# Altium PCB PROC106B.PcbDoc (part 1 of 8) (continued)
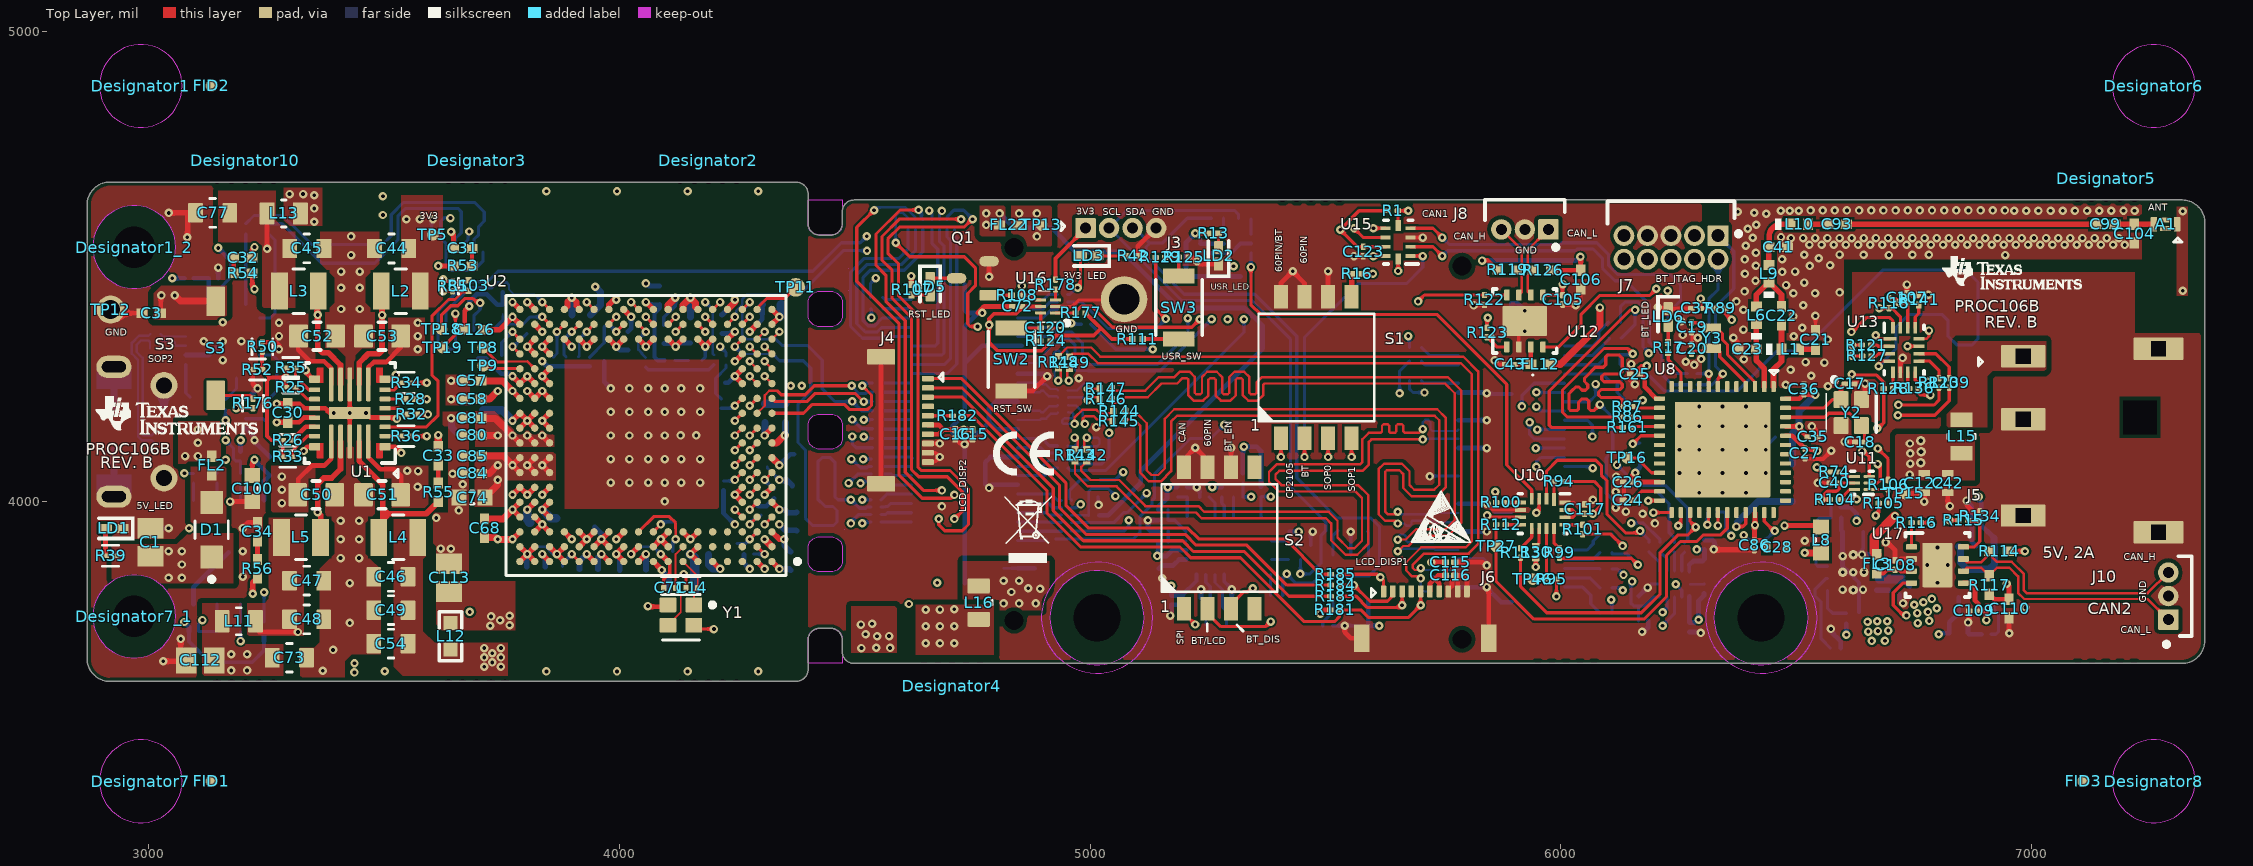
[diagram p0: Top Layer view]
## Design rules (kind name [scope] priority, off if disabled: settings) (continued)
Width [All] p2: maxlimit=100 minlimit=4 preferedwidth=6 toplayer_maxwidth=40 toplayer_prefwidth=6.7 midlayer1_minwidth=4.2 midlayer1_maxwidth=20 midlayer1_prefwidth=4.2 midlayer2_minwidth=4.5 midlayer2_maxwidth=15 midlayer2_prefwidth=5.95 midlayer7_minwidth=4.5 midlayer7_maxwidth=15 midlayer7_prefwidth=5.95 midlayer8_minwidth=6 midlayer8_prefwidth=10 bottomlayer_maxwidth=40 bottomlayer_prefwidth=6.7 minimp=50.000000 maximp=50.000000 favimp=50.000000
14 further rules are at their usual default settings.

## Classes and differential pairs
pad class "Non Plated": Designator1_2- Designator7_1- Designator22_1- Designator23- FL2-1 FL2-2 FL3-1 FL3-2 FL12-1 FL12-2 FL22-1 FL22-2 Free-
net class PWR: AR_1P0_RF1 AR_1P0_RF2 AR_1P2 AR_1V4_APLL AR_1V4_SYNTH AR_1V8 PMIC_1V0 PMIC_1V2 PMIC_1V8
net class 100E: AR_LVDS_0_N AR_LVDS_0_P AR_LVDS_1_N AR_LVDS_1_P AR_LVDS_CLK_N AR_LVDS_CLK_P AR_LVDS_FRCLK_N AR_LVDS_FRCLK_P
net class RF: NetA1_4 NetC22_1 NetC41_1 NetC93_1 NetC93_2 RF_N RF_P
differential pair class 120E: NewDifferentialPair1 NewDifferentialPair2
differential pair class 100E: AR_LVDS_0 AR_LVDS_0_J AR_LVDS_0_R AR_LVDS_1 AR_LVDS_1_J AR_LVDS_1_R AR_LVDS_CLK AR_LVDS_CLK_J AR_LVDS_CLK_R AR_LVDS_FRCLK AR_LVDS_FRCLK_R X48M
differential pair class 90E: USB USB_R
component class PROC106B_RST_GPIOs_I2C: C6 C9 C10 C11 C12 C13 C38 C39 C72 C120 C125 J3 LD2 LD3 LD5 Q1 R13 R18 R38 R42 R51 R57 R67 R68 R69 R70 R71 R72 R73 R77 R78 R80 R81 R82 R93 R96 R97 R98 R107 R108 R111 R124 R125 R129 R177 R178 SW2 SW3 TP15 TP20 U5 U6 U7 U16 Y4
component class PROC106B_PMIC: C30 C31 C32 C33 C34 C44 C45 C46 C47 C48 C49 C50 C51 C52 C53 C54 C73 C75 C76 C77 C111 C112 C113 C121 C124 C131 L2 L3 L4 L5 L11 L12 L13 L14 LD1 R25 R26 R28 R31 R32 R33 R34 R35 R36 R37 R39 R50 R52 R53 R54 R55 R56 TP5 TP12 U1
component class PROC106B_HD_CONN_PWR_SW: C127 C128 C129 FL22 J2 J11 L16 R10 R11 R12 R14 R20 R24 R27 R29 R58 R88 R92 R130 R132 R133 R135 R137 R138 R140 R142 R143 R144 R145 R146 R147 R148 R149 R150 R151 R152 R153 R154 R155 R157 R186 R187 R188 R189 R190 RA1 RA2 RA3 RA4 RA5 RA6 RA7 RA8 RA9 TP10 TP13 U19
component class PROC106B_FLASH_USB_TO_UART: C1 C2 C3 C4 C100 C101 C126 D1 FL2 J1 LD4 R6 R15 R19 R40 R41 R43 R44 R45 R46 R47 R48 R49 R60 R61 R62 R63 R64 R65 TP18 TP19 TP26 U3 U9 U18
component class PROC106B_CAN_INTERFACE: C40 C43 C105 C106 C107 C108 C109 C110 FL3 FL12 J8 J10 R66 R74 R104 R105 R106 R114 R115 R116 R117 R118 R119 R120 R121 R122 R123 R126 R127 R128 R134 R136 R139 R141 U11 U12 U13 U17
component class PROC106B_BT_DISPLAY: A1 C5 C7 C8 C15 C16 C17 C18 C19 C20 C21 C22 C23 C24 C25 C26 C27 C28 C29 C35 C36 C37 C41 C86 C93 C99 C104 C114 C115 C116 C117 C118 C119 J4 J6 J7 L1 L6 L7 L8 L9 L10 LD6 R17 R30 R76 R79 R86 R87 R89 R90 R91 R94 R95 R99 R100 R101 R102 R110 R112 R113 R131 R160 R161 R166 R168 R180 R181 R182 R183 R184 R185 TP16 TP27 TP46 U4 U8 U10 U14 Y2 Y3
component class PROC106B_AOP_PWR: C55 C56 C57 C58 C59 C60 C61 C62 C63 C64 C65 C66 C67 C68 C69 C70 C74 C78 C79 C80 C81 C82 C83 C84 C85 C87 C88 C89 C90 C91 C92 C94 C95 C96 C97 C98 C102 C103 TP11
component class PROC106B_AOP_IO: C14 C71 C130 R2 R3 R4 R5 R7 R8 R9 R21 R22 R23 R59 R75 R83 R84 R85 R103 R158 R159 R170 R171 R172 R174 R176 S3 TP2 TP3 TP6 TP7 TP8 TP9 TP14 TP17 U2 Y1
component class PROC106B_ANALOG_MUX: C42 C122 C123 J5 L15 R1 R16 S1 S2 TP4 U15
component class PROC106B_Hardware: FID1 FID2 FID3 FID4 FID5 FID6 ZZ1 ZZ2 ZZ3 ZZ4 ZZ5.1 ZZ5.2
component class FiducialMark: Designator1_2 Designator7_1 Designator22_1 Designator23 FID1 FID2 FID3 FID4 FID5 FID6
component class AssemblyNote: ZZ1 ZZ2 ZZ3 ZZ4 ZZ5.1 ZZ5.2
differential pair NewDifferentialPair3: +X48M_P -X48M_N
differential pair AR_LVDS_CLK_J: +NetJ2_36 -NetJ2_34
differential pair AR_LVDS_1_J: +NetJ2_42 -NetJ2_40
differential pair AR_LVDS_0_J: +NetJ2_48 -NetJ2_46
differential pair USB_R: +NetR60_1 -NetR41_1
differential pair NewDifferentialPair1: +NetJ8_1 -NetJ8_3
differential pair USB: +USB_DP -USB_DM
differential pair NewDifferentialPair2: +NetJ10_1 -NetJ10_3
differential pair AR_LVDS_CLK: +AR_LVDS_CLK_P -AR_LVDS_CLK_N
differential pair AR_LVDS_FRCLK: +AR_LVDS_FRCLK_P -AR_LVDS_FRCLK_N
differential pair AR_LVDS_1: +AR_LVDS_1_P -AR_LVDS_1_N
differential pair AR_LVDS_0: +AR_LVDS_0_P -AR_LVDS_0_N
differential pair AR_LVDS_0_R: +NetJ11_56 -NetJ11_58
differential pair AR_LVDS_1_R: +NetJ11_50 -NetJ11_52
differential pair AR_LVDS_CLK_R: +NetJ11_44 -NetJ11_46
differential pair AR_LVDS_FRCLK_R: +NetJ11_26 -NetJ11_28

## Components (designator, comment, footprint, x,y, rotation, side; value= is the part's Value field where it differs from the comment)
A1 "ANT016008LCS2442MA2" FP-ANT016008LCS2442MA2_SMT_ANT-0 7284.33,4589.83 r180 top
C1 "GCM21BR71A106KE22L" 0805L 3004.01,3914.32 r270 top value=10uF
C2 "GCM155R71C104KA55D" 0402L 3005.89,4400.66 r180 bottom value=0.1uF
C3 "GCM155R71C104KA55D" 0402L 3005.89,4400.66 r180 top value=0.1uF
C4 "GCM21BR71A106KE22L" 0805L 3004.01,3914.26 r90 bottom value=10uF
C5 "CL03A105MO3NRNH" FP-CL03A105MO3NRNH_0201-IPC_C 6882.81,3977 r180 bottom
C6 "GRM033R6YA104KE14D" "FP-GRM033R6YA104KE14D_0201 (0603 Metric)-IPC_C" 5234.38,4538.7 r90 bottom
C7 "CL05A106MP5NUNC" 0402_070 6844.78,3720.79 r0 bottom value=10uF
C8 "CL03A103KA3NNNC" FP-CL03A103KA3NNNC_0201-IPC_C 6903.19,3719.01 r180 bottom
C9 "GRM033R6YA104KE14D" "FP-GRM033R6YA104KE14D_0201 (0603 Metric)-IPC_C" 5197.1,3791.56 r90 bottom locked
C10 "GRM033R6YA104KE14D" "FP-GRM033R6YA104KE14D_0201 (0603 Metric)-IPC_C" 5162.69,3875.17 r90 bottom
C11 "CL03A105MO3NRNH" FP-CL03A105MO3NRNH_0201-IPC_C 5172.1,3791.41 r270 bottom
C12 "GRM033R6YA104KE14D" "FP-GRM033R6YA104KE14D_0201 (0603 Metric)-IPC_C" 5580.92,3737.11 r0 bottom
C13 "GRM033R6YA104KE14D" "FP-GRM033R6YA104KE14D_0201 (0603 Metric)-IPC_C" 5242.93,4010.48 r0 bottom
C14 "CGA1A2C0G1H4R7C030BA" FP-CGA1A2C0G1H4R7C030BA_0201-IPC_C 4153.98,3817.27 r180 top value=4.7pF
C15 "CL03A105MO3NRNH" FP-CL03A105MO3NRNH_0201-IPC_C 4750.21,4143.82 r270 top
C16 "CL03A105MO3NRNH" FP-CL03A105MO3NRNH_0201-IPC_C 4713.47,4143.92 r270 top
C17 "GRM0335C1H8R0BA01D" "FP-GRM0335C1H8R0BA01D_0201 (0603 metric)-IPC_C" 6613.33,4250.88 r0 top
C18 "GRM0335C1H8R0BA01D" "FP-GRM0335C1H8R0BA01D_0201 (0603 metric)-IPC_C" 6634.87,4127.04 r180 top
C19 "250R05L120JV4T" FP-250R05L120JV4T_0201-IPC_C 6277.6,4370.87 r270 top
C20 "250R05L120JV4T" FP-250R05L120JV4T_0201-IPC_C 6277.6,4324.98 r90 top
C21 "CL05C120JB5NNNC" 0402L 6540.73,4344.09 r270 top value=12pF
C22 "GCM1555C1H1R0CA16D" 0402L 6468.51,4395.47 r270 top value=1pF
C23 "GCM1555C1H1R0CA16D" 0402L 6395.4,4324.42 r180 top value=1pF
C24 "CL03A105MO3NRNH" FP-CL03A105MO3NRNH_0201-IPC_C 6142.33,4003.46 r180 top
C25 "GRM033R6YA104KE14D" "FP-GRM033R6YA104KE14D_0201 (0603 Metric)-IPC_C" 6157.34,4271.39 r180 top
C26 "GRM033R6YA104KE14D" "FP-GRM033R6YA104KE14D_0201 (0603 Metric)-IPC_C" 6142.18,4042.21 r180 top
C27 "GRM033R6YA104KE14D" "FP-GRM033R6YA104KE14D_0201 (0603 Metric)-IPC_C" 6518.42,4103.16 r270 top
C28 "CL05A226MQ5N6J8" 0402S 6458.05,3903.24 r0 top
C29 "CL05A226MQ5N6J8" 0402S 6471.97,4137.37 r180 bottom
C30 "GCM155R71C224KE02D" 0402L 3295.87,4189 r90 top value=0.22uF
C31 "CGA2B2C0G1H391J050BA" 0402L 3667.5,4538.34 r180 top value=390pF
C32 "CGA2B2C0G1H391J050BA" 0402L 3200.34,4518.49 r0 top value=390pF
C33 "CGA2B2C0G1H391J050BA" 0402L 3615.39,4098.42 r270 top value=390pF
C34 "CGA2B2C0G1H391J050BA" 0402L 3231.35,3936.68 r270 top value=390pF
C35 "GRM033R6YA104KE14D" "FP-GRM033R6YA104KE14D_0201 (0603 Metric)-IPC_C" 6534.66,4138.22 r0 top
C36 "GRM033R6YA104KE14D" "FP-GRM033R6YA104KE14D_0201 (0603 Metric)-IPC_C" 6516.27,4239.23 r90 top
C37 "GRM033R6YA104KE14D" "FP-GRM033R6YA104KE14D_0201 (0603 Metric)-IPC_C" 6287.19,4411.08 r180 top
C38 "250R05L120JV4T" FP-250R05L120JV4T_0201-IPC_C 5245.41,3795.56 r180 bottom
C39 "250R05L120JV4T" FP-250R05L120JV4T_0201-IPC_C 5291.16,3795.56 r0 bottom
C40 "GRM033R6YA104KE14D" "FP-GRM033R6YA104KE14D_0201 (0603 Metric)-IPC_C" 6581.1,4040.29 r180 top
C41 "GCM1555C1H1R0CA16D" 0402L 6461.93,4540.91 r0 top value=1pF
C42 "CL05A106MP5NUNC" 0402_070 6821.81,4040 r90 top value=10uF
C43 "GRM033R6YA104KE14D" "FP-GRM033R6YA104KE14D_0201 (0603 Metric)-IPC_C" 5891.78,4292.07 r0 top
C44 "CGA4J1X7T0J226M125AC" FP-CGA4J1X7T0J226M125AC_0805-MFG 3516.1,4538.33 r0 top value=22µF
C45 "CGA4J1X7T0J226M125AC" FP-CGA4J1X7T0J226M125AC_0805-MFG 3336.18,4538.34 r180 top value=22µF
C46 "CGA4J1X7T0J226M125AC" FP-CGA4J1X7T0J226M125AC_0805-MFG 3514.81,3840.95 r0 top value=22µF
C47 "CGA4J1X7T0J226M125AC" FP-CGA4J1X7T0J226M125AC_0805-MFG 3335.76,3832.63 r180 top value=22µF
C48 "CGA4J1X7T0J226M125AC" FP-CGA4J1X7T0J226M125AC_0805-MFG 3335.76,3750.6 r180 top value=22µF
C49 "CGA4J1X7T0J226M125AC" FP-CGA4J1X7T0J226M125AC_0805-MFG 3514.81,3770.11 r0 top value=22µF
C50 "GCM21BR71A106KE22L" 0805_HV1 3355.89,4015.14 r0 top value=10uF
C51 "GCM21BR71A106KE22L" 0805_HV1 3495.89,4015.14 r180 top value=10uF
C52 "GCM21BR71A106KE22L" 0805_HV1 3357.86,4352.35 r0 top value=10uF
C53 "GCM21BR71A106KE22L" 0805_HV1 3495.89,4352.35 r180 top value=10uF
C54 "CGA4J1X7T0J226M125AC" FP-CGA4J1X7T0J226M125AC_0805-MFG 3514.81,3699.04 r0 top value=22µF
C55 "GCM21BR71A106KE22L" 0805L 3908.19,4239.7 r0 bottom value=10uF
C56 "GCM155R71C224KE02D" 0402L 4323.95,4419.07 r0 bottom value=0.22uF
C57 "GCM155R71C224KE02D" 0402L 3686.18,4257.19 r180 top value=0.22uF
C58 "GCM155R71C224KE02D" 0402L 3686.18,4218.19 r180 top value=0.22uF
C59 "GCM21BR71A106KE22L" 0805L 3700.56,4275.26 r90 bottom value=10uF
C60 "GCM155R71C224KE02D" 0402L 4309.75,4188.46 r90 bottom value=0.22uF
C61 "GCM155R71C224KE02D" 0402L 4018.33,4342.22 r270 bottom value=0.22uF
C62 "GCM21BR71A106KE22L" 0805L 4040,3970.52 r90 bottom value=10uF
C63 "GCM155R71C224KE02D" 0402L 3935.07,3856.83 r180 bottom value=0.22uF
C64 "GCM155R71C224KE02D" 0402L 3967.69,3945.83 r180 bottom value=0.22uF
C65 "GCM21BR71A106KE22L" 0805L 3674.97,3943.67 r180 bottom value=10uF
C66 "GCM155R71C224KE02D" 0402L 3865.49,3945.78 r90 bottom value=0.22uF
C67 "GCM155R71C224KE02D" 0402L 3790.94,3955.68 r0 bottom value=0.22uF
C68 "GCM155R71C224KE02D" 0402L 3713.57,3943.79 r90 top value=0.22uF
C69 "CGA2B3X7R1H473K050BB" 0402L 3822.75,3862.61 r180 bottom value=0.047uF
C70 "GCM21BR71A106KE22L" 0805L 3908.19,4023.7 r0 bottom value=10uF
C71 "CGA1A2C0G1H4R7C030BA" FP-CGA1A2C0G1H4R7C030BA_0201-IPC_C 4106.98,3817.45 r180 top value=4.7pF
C72 "GRM033R6YA104KE14D" "FP-GRM033R6YA104KE14D_0201 (0603 Metric)-IPC_C" 4845,4415.28 r0 top
C73 "CGA4J1X7T0J226M125AC" FP-CGA4J1X7T0J226M125AC_0805-MFG 3299.16,3669 r180 top value=22µF
C74 "GCM188R70J225KE22D" 0603L 3687.18,4009.15 r180 top value=2.2uF
C75 "CGA4J1X7T0J226M125AC" FP-CGA4J1X7T0J226M125AC_0805-MFG 3702.01,3803.74 r0 bottom value=22µF
C76 "GCM21BR71A106KE22L" 0805L 3427.48,4623.45 r0 bottom value=10uF
C77 "CGA4J1X7T0J226M125AC" FP-CGA4J1X7T0J226M125AC_0805-MFG 3136,4614 r0 top value=22µF
C78 "GCM21BR71A106KE22L" 0805L 3908.19,4167.7 r0 bottom value=10uF
C79 "GCM188R70J225KE22D" 0603L 3710.6,4167.45 r90 bottom value=2.2uF
C80 "GCM155R71C224KE02D" 0402L 3686.2,4141.13 r180 top value=0.22uF
C81 "GCM155R71C224KE02D" 0402L 3686.2,4177.66 r180 top value=0.22uF
C82 "GCM21BR71A106KE22L" 0805L 3908.19,4095.7 r0 bottom value=10uF
C83 "GCM188R70J225KE22D" 0603L 3655.22,4120.08 r90 bottom value=2.2uF
C84 "GCM155R71C224KE02D" 0402L 3687.73,4060.46 r180 top value=0.22uF
C85 "GCM155R71C224KE02D" 0402L 3687.73,4097.51 r180 top value=0.22uF
C86 "GRM033R6YA104KE14D" "FP-GRM033R6YA104KE14D_0201 (0603 Metric)-IPC_C" 6410.84,3907.91 r270 top
C87 "GCM155R71C224KE02D" 0402L 4314.32,4094.43 r270 bottom value=0.22uF
C88 "GCM155R71C224KE02D" 0402L 4085.98,4438.9 r90 bottom value=0.22uF
C89 "GCM188R71C105KA64D" 0603L 4132.97,3811.96 r0 bottom value=1uF
C90 "GCM188R71C105KA64D" 0603L 4028.67,3857.43 r180 bottom value=1uF
C91 "GCM155R71C104KA55D" 0402L 4218.02,4377.65 r90 bottom value=0.1uF
C92 "GCM155R71C104KA55D" 0402L 4352.69,4188.46 r270 bottom value=0.1uF
C93 "CL05C120JB5NNNC" 0402L 6586.38,4589.83 r180 top value=12pF
C94 "GCM155R71C224KE02D" 0402L 4364,3874.31 r270 bottom value=0.22uF
C95 "GCM155R71C224KE02D" 0402L 4376.53,3958.4 r270 bottom value=0.22uF
C96 "GCM155R71C224KE02D" 0402L 4094.31,4356.14 r270 bottom value=0.22uF
C97 "GCM155R71C224KE02D" 0402L 4188.97,3908.47 r90 bottom value=0.22uF
C98 "GCM155R71C224KE02D" 0402L 3918.65,4396.76 r0 bottom value=0.22uF
C99 "GJM1555C1H1R8BB01D" 0402L 7156.66,4589.69 r180 top value=1.8pF
C100 "GCM188R71C105KA64D" 0603L 3220.18,4028.4 r90 top value=1uF
C101 "GCM155R71C104KA55D" 0402L 3257.08,4075.84 r270 bottom value=0.1uF
C102 "GCM188R70J225KE22D" 0603L 4367.44,4062.4 r270 bottom value=2.2uF
C103 "GCM188R70J225KE22D" 0603L 4150.97,4365.07 r270 bottom value=2.2uF
C104 "GJM1555C1H1R8BB01D" 0402L 7217.64,4570.15 r270 top value=1.8pF
C105 "GRM033R6YA104KE14D" "FP-GRM033R6YA104KE14D_0201 (0603 Metric)-IPC_C" 6003.64,4429.32 r90 top
C106 "GRM155R71H472KA01D" 0402L 6042.33,4472.32 r90 top value=4700pF
C107 "GRM033R6YA104KE14D" "FP-GRM033R6YA104KE14D_0201 (0603 Metric)-IPC_C" 6735.03,4433.22 r90 top
C108 "GRM033R6YA104KE14D" "FP-GRM033R6YA104KE14D_0201 (0603 Metric)-IPC_C" 6709.78,3866.01 r270 top
C109 "GRM033R6YA104KE14D" "FP-GRM033R6YA104KE14D_0201 (0603 Metric)-IPC_C" 6877.41,3768.9 r0 top
C110 "GRM155R71H472KA01D" 0402L 6951.81,3773.61 r90 top value=4700pF
C111 "CGA4J1X7T0J226M125AC" FP-CGA4J1X7T0J226M125AC_0805-MFG 3639.35,3729.75 r180 bottom value=22µF
C112 "GCM21BR71A106KE22L" 0805L 3109.68,3663.43 r180 top value=10uF
C113 "GCM21BR71A106KE22L" 0805L 3638.2,3839.06 r90 top value=10uF
C114 "GRM033R6YA104KE14D" "FP-GRM033R6YA104KE14D_0201 (0603 Metric)-IPC_C" 6174.57,3747.34 r180 bottom
C115 "CL03A105MO3NRNH" FP-CL03A105MO3NRNH_0201-IPC_C 5764.72,3872.2 r0 top
C116 "CL03A105MO3NRNH" FP-CL03A105MO3NRNH_0201-IPC_C 5764.72,3843.74 r0 top
C117 "GRM033R6YA104KE14D" "FP-GRM033R6YA104KE14D_0201 (0603 Metric)-IPC_C" 6050.15,3984.72 r90 top
C118 "GRM033R6YA104KE14D" "FP-GRM033R6YA104KE14D_0201 (0603 Metric)-IPC_C" 6272.5,3733.87 r270 bottom
C119 "GRM033R6YA104KE14D" "FP-GRM033R6YA104KE14D_0201 (0603 Metric)-IPC_C" 6304.91,3909.21 r90 bottom
C120 "GRM033R6YA104KE14D" "FP-GRM033R6YA104KE14D_0201 (0603 Metric)-IPC_C" 4905.18,4369.7 r0 top
C121 "GCM21BR71A106KE22L" 0805L 3541.25,3686.2 r270 bottom value=10uF
C122 "CL05A106MP5NUNC" 0402_070 6771.81,4040 r270 top value=10uF
C123 "GRM033R6YA104KE14D" "FP-GRM033R6YA104KE14D_0201 (0603 Metric)-IPC_C" 5580.17,4531.94 r270 top
C124 "CGA4J1X7T0J226M125AC" FP-CGA4J1X7T0J226M125AC_0805-MFG 3702.01,3871.27 r0 bottom value=22µF
C125 "CL03A103KA3NNNC" FP-CL03A103KA3NNNC_0201-IPC_C 5252.95,4538.7 r270 bottom
C126 "GCM155R71C104KA55D" 0402L 3691.38,4365.53 r180 top value=0.1uF
C127 "GRM033R6YA104KE14D" "FP-GRM033R6YA104KE14D_0201 (0603 Metric)-IPC_C" 6653.18,3936.75 r180 bottom
C128 "GRM033R6YA104KE14D" "FP-GRM033R6YA104KE14D_0201 (0603 Metric)-IPC_C" 6643.28,3766.12 r180 bottom
C129 "CL03A105MO3NRNH" FP-CL03A105MO3NRNH_0201-IPC_C 6719.58,3813.74 r270 bottom
C130 "GCM155R71C104KA55D" 0402L 3967.83,4318.05 r90 bottom value=0.1uF
C131 "CGA4J1X7T0J226M125AC" FP-CGA4J1X7T0J226M125AC_0805-MFG 3469.55,3689.64 r90 bottom value=22µF
D1 "NRVB230LSFT1G" FP-NRVB230LSFT1G_SOD-123F-MFG 3134.01,3940.99 r90 top
Designator1 "Comment" MHNP_M2_PANHEAD_PHILLIPS 2983.52,4883.72 r0 top
Designator1_1 "BRAKE_WAY_HOLES1X2" BRAKE_WAY_HOLES1X2 3205.41,3572.64 r180 bottom
Designator1_2 "Comment" MHNP_M2_PANHEAD_PHILLIPS 2969.58,4541.42 r0 top
Designator2 "BRAKE_WAY_HOLES1X2" BRAKE_WAY_HOLES1X2 4188.97,4725.69 r180 top
Designator2_1 "BRAKE_WAY_HOLES1X2" BRAKE_WAY_HOLES1X2 6010.52,3609.79 r180 bottom
Designator3 "BRAKE_WAY_HOLES1X2" BRAKE_WAY_HOLES1X2 3697.19,4725.69 r180 top
Designator3_2 "BRAKE_WAY_HOLES1X2" BRAKE_WAY_HOLES1X2 5469.11,4687.74 r0 bottom
Designator4 "BRAKE_WAY_HOLES1X2" BRAKE_WAY_HOLES1X2 4706.5,3609.79 r0 top
Designator4_1 "BRAKE_WAY_HOLES1X2" BRAKE_WAY_HOLES1X2 3697.19,3572.64 r180 bottom
Designator5 "BRAKE_WAY_HOLES1X2" BRAKE_WAY_HOLES1X2 7157.87,4687.69 r180 top
Designator5_1 "BRAKE_WAY_HOLES1X2" BRAKE_WAY_HOLES1X2 7157.6,3609.79 r180 bottom
Designator5_2 "BRAKE_WAY_HOLES1X2" BRAKE_WAY_HOLES1X2 4188.97,3572.64 r180 bottom
Designator6 "Comment" MHNP_M2_PANHEAD_PHILLIPS 7259.4,4883.72 r0 top
Designator7 "Comment" MHNP_M2_PANHEAD_PHILLIPS 2983.52,3406.7 r0 top
Designator7_1 "Comment" MHNP_M2_PANHEAD_PHILLIPS 2969.58,3756.91 r0 top
Designator8 "Comment" MHNP_M2_PANHEAD_PHILLIPS 7259.4,3406.7 r0 top
Designator10 "BRAKE_WAY_HOLES1X2" BRAKE_WAY_HOLES1X2 3205.41,4725.69 r180 top
Designator22_1 "Comment" MHNP_2-5 6425,3754.06 r0 bottom
Designator23 "Comment" MHNP_2-5 5014.62,3754.06 r0 bottom
FID1 "Fiducial" FIDUCIAL6.4-20 3133.52,3406.7 r0 top
FID2 "Fiducial" FIDUCIAL6.4-20 3133.52,4883.72 r0 top
FID3 "Fiducial" FIDUCIAL6.4-20 7109.4,3406.7 r0 top
FID4 "Fiducial" FIDUCIAL6.4-20 7109.4,3406.7 r180 bottom
FID5 "Fiducial" FIDUCIAL6.4-20 3133.52,4883.72 r180 bottom
FID6 "Fiducial" FIDUCIAL6.4-20 3133.52,3406.7 r180 bottom
FL2 "BLM15PD300SZ1D" 0402L 3134.06,4077.41 r270 top
FL3 "BLM15PD300SZ1D" 0402L 6670.79,3868.56 r90 top
FL12 "BLM15PD300SZ1D" 0402L 5955.92,4292.41 r0 top
FL22 "BLM15PD300SZ1D" 0402L 4827.36,4588.36 r0 top
J1 "105017-0001" CONN_105017-0001 2979.51,4149.15 r90 bottom
J2 "QSH-030-01-L-D-A" Samtec_QSH-030-01-X-D-A 4733.36,4144.5 r0 bottom locked
J3 "M50-3930442" FP-M50-3930442_HDR4-RECOMMENDED_LAND_PATTERN 5065.29,4621.12 r0 bottom
J4 "51441-1093" FP-51441-1093_CONN_SMD_FFC-0 4585.45,4173.34 r270 top locked
J5 "PJ-051AH" CUI_PJ-051AH 7229.96,4179.69 r0 top
J6 "51441-1093" FP-51441-1093_CONN_SMD_FFC-0 5711.91,3740.17 r0 top
J7 "GRPB052MWCN-RC" FP-GRPB052MWCN-RC_HDR10-MFG 6233.84,4610.83 r180 top
J8 "M50-3930342" FP-M50-3930342_HDR3-MFG 5923.44,4618.25 r180 top
J10 "M50-3930342" FP-M50-3930342_HDR3-MFG 7329.6,3800 r90 top
J11 "QSH-030-01-L-D-A" Samtec_QSH-030-01-X-D-A 5895.12,4104.5 r180 bottom locked
L1 "LQG15HS2N4S02D" IND_LQG15H 6487.22,4324.41 r0 top value=2.4nH
L2 "DFE252012PD-R47M" DFE252012P 3535.79,4447.85 r180 top value=470nH
L3 "DFE252012PD-R47M" DFE252012P 3319.27,4447.85 r0 top value=470nH
L4 "DFE252012PD-R47M" DFE252012P 3530.36,3924.63 r180 top value=470nH
L5 "DFE252012PD-R47M" DFE252012P 3323.75,3924.63 r0 top value=470nH
L6 "LQG15HS2N4S02D" IND_LQG15H 6415.18,4396.46 r90 top value=2.4nH
L7 "MLZ2012N6R8LT000" 0805_HV 6491.96,4040.83 r90 bottom value=6.8uH
L8 "BLM18HE152SN1D" 0603L 6552.57,3919.1 r90 top value="1500 ohm"
L9 "LQG15HS2N0S02D" IND_LQG15H 6441.85,4484.72 r90 top value=2nH
L10 "LQG15HS2N0S02D" IND_LQG15H 6506.46,4589.83 r0 top value=2nH
L11 "MPZ2012S101ATD25" FP-MPZ2012S101ATD25_0805-MFG 3191.81,3746.61 r180 top
L12 "BLM18KG121TH1D" 0603_HV 3641.39,3714.72 r90 top value="120 ohm"
L13 "MPZ2012S101ATD25" FP-MPZ2012S101ATD25_0805-MFG 3287.13,4612.77 r0 top
L14 "BLM18KG121TH1D" 0603_HV 3647.19,3662.86 r180 bottom value="120 ohm"
L15 "MPZ2012S101ATD25" FP-MPZ2012S101ATD25_0805-MFG 6850.96,4138.99 r270 top
L16 "MPZ2012S101ATD25" FP-MPZ2012S101ATD25_0805-MFG 4763.29,3786.02 r270 top
LD1 "APHHS1005CGCK" APHHS1005_Green 2926.36,3943.79 r0 top value=Green
LD2 "APHHS1005CGCK" APHHS1005_Green 5272.84,4522.72 r270 top value=Green
LD3 "APHHS1005CGCK" APHHS1005_Green 4997.02,4522.72 r0 top value=Green
LD4 "APHHS1005CGCK" APHHS1005_Green 3246.44,4191.13 r270 bottom value=Green
LD5 "APHHS1005CGCK" APHHS1005_Green 4660.11,4457.37 r90 top value=Green
LD6 "APHHS1005CGCK" APHHS1005_Green 6227.85,4392.84 r90 top value=Green
Q1 "BSS123-7-F" FP-BSS123-7-F_SOT23-IPC_C 4750.81,4475.09 r180 top
R1 "RR0306P-103-D" FP-RR0306P-103-D_0201-IPC_C#1 5643.17,4618.56 r180 top
R2 "ERJ-1GN0R00C" 0201L 4106.92,4300.76 r180 bottom value=0
R3 "ERA-1AEB103C" FP-ERA-1AEB103C_0201-IPC_C 4274.79,3889.16 r180 bottom value=10k
R4 "ERJ-1GNF1003C" FP-ERJ-1GNF1003C_0201-IPC_C 3752.34,4408.84 r270 bottom value=100k
R5 "ERJ-1GNF1003C" FP-ERJ-1GNF1003C_0201-IPC_C 3752.34,4455.46 r90 bottom value=100k
R6 "ERJ-1GNF33R2C" FP-ERJ-1GNF33R2C_0201-IPC_C 3095.35,4050.45 r270 bottom value=33.2
R7 "ERA-1AEB103C" FP-ERA-1AEB103C_0201-IPC_C 4329.25,4017.43 r270 bottom value=10k
R8 "ERA-1AEB103C" FP-ERA-1AEB103C_0201-IPC_C 4221.23,4034.41 r270 bottom value=10k
R9 "ERJ-1GNF1003C" FP-ERJ-1GNF1003C_0201-IPC_C 4250.53,3921.56 r270 bottom value=100k
R10 "AC0201FR-0720RL" FP-AC0201FR-0720RL_0201-IPC_C 4917.01,3921 r180 bottom
R11 "AC0201FR-0720RL" FP-AC0201FR-0720RL_0201-IPC_C 4950.01,3937.94 r180 bottom
R12 "RC0201JR-070RL" "FP-RC0201JR-070RL_0201 (0603 Metric)-MFG" 4546.15,4434.59 r180 bottom
R13 "RC0201JR-07220RL" 0201L 5261.81,4570.64 r0 top value=220
R14 "RC0201JR-070RL" "FP-RC0201JR-070RL_0201 (0603 Metric)-MFG" 4547.12,4410.25 r180 bottom
R15 "ERJ-1GNJ221C" FP-ERJ-1GNJ221C_0201-IPC_C 3206.52,4166.71 r90 bottom value=220
R16 "RC0201FR-077K87L" 0201L 5566.39,4484.46 r180 top value=7.87k
R17 "RC0201JR-07220RL" 0201L 6227.85,4327.64 r90 top value=220
R18 "RR0306P-103-D" FP-RR0306P-103-D_0201-IPC_C#1 5362.78,4021.8 r270 bottom
R19 "ERA-1AEB103C" FP-ERA-1AEB103C_0201-IPC_C 3610.73,4577.6 r180 bottom value=10k
R20 "RR0306P-103-D" FP-RR0306P-103-D_0201-IPC_C#1 6584.18,3988.94 r180 bottom
R21 "ERA-1AEB103C" FP-ERA-1AEB103C_0201-IPC_C 3859.46,4298.05 r270 bottom value=10k
R22 "ERA-1AEB103C" FP-ERA-1AEB103C_0201-IPC_C 3886.73,4298.05 r270 bottom value=10k
R23 "ERA-1AEB103C" FP-ERA-1AEB103C_0201-IPC_C 3913.05,4298.05 r270 bottom value=10k
R24 "CRCW0402200RFKEDHP" FP-CRCW0402200RFKEDHP_0402-IPC_C 6583.18,3937.46 r180 bottom
R25 "ERJ-1GNF4991C" FP-ERJ-1GNF4991C_0201-IPC_C 3301.93,4243.48 r180 top value=4.99k
R26 "ERJ-1GNF4991C" FP-ERJ-1GNF4991C_0201-IPC_C 3295.24,4131.09 r180 top value=4.99k
R27 "RC0201JR-07510RL" 0201L 6606.39,3752.54 r90 bottom value=510
R28 "ERJ-1GN0R00C" 0201L 3555.87,4218.48 r180 top value=0
R29 "CRCW0201100KFKED" 0201L 6584.18,3965.94 r180 bottom value=100k
R30 "RC0201JR-070RL" "FP-RC0201JR-070RL_0201 (0603 Metric)-MFG" 5946.67,3893.52 r90 top
R31 "ERJ-1GN0R00C" 0201L 5008.05,3971.4 r180 bottom value=0
R32 "ERJ-1GN0R00C" 0201L 3558.22,4185.79 r180 top value=0
R33 "ERJ-1GNF4991C" FP-ERJ-1GNF4991C_0201-IPC_C 3295.5,4095.96 r180 top value=4.99k
R34 "ERJ-1GNF4991C" FP-ERJ-1GNF4991C_0201-IPC_C 3546.86,4253.13 r0 top value=4.99k
R35 "ERA-1AEB103C" FP-ERA-1AEB103C_0201-IPC_C 3301.93,4284.61 r180 top value=10k
R36 "ERA-1AEB103C" FP-ERA-1AEB103C_0201-IPC_C 3546.86,4139.79 r0 top value=10k
R37 "ERJ-1GNF1003C" FP-ERJ-1GNF1003C_0201-IPC_C 5007.04,4011.07 r180 bottom value=100k
R38 "RC0201FR-074K99L" 0201L 5330.47,4478.82 r180 bottom value=4.99k
R39 "ERJ-1GNJ511C" FP-ERJ-1GNJ511C_0201-IPC_C 2919.28,3885.59 r180 top value=510
R40 "ERJ-1GNF4991C" FP-ERJ-1GNF4991C_0201-IPC_C 3175.78,4488.13 r270 bottom value=4.99k
R41 "ERJ-1GN0R00C" 0201L 3013.92,4326.25 r180 bottom value=0
R42 "RC0201JR-07220RL" 0201L 5090.29,4522.72 r0 top value=220
R43 "ERA-1AEB103C" FP-ERA-1AEB103C_0201-IPC_C 3245.35,3734.95 r270 bottom value=10k
R44 "ERA-1AEB103C" FP-ERA-1AEB103C_0201-IPC_C 3095.98,3724.94 r180 bottom value=10k
R45 "ERA-1AEB103C" FP-ERA-1AEB103C_0201-IPC_C 3195.34,4097.11 r90 bottom value=10k
R46 "ERJ-1GNF33R2C" FP-ERJ-1GNF33R2C_0201-IPC_C 3195.35,3734.95 r90 bottom value=33.2
R47 "ERJ-1GNF33R2C" FP-ERJ-1GNF33R2C_0201-IPC_C 3145.35,4050.45 r270 bottom value=33.2
R48 "ERJ-1GNF33R2C" FP-ERJ-1GNF33R2C_0201-IPC_C 3145.35,3734.95 r90 bottom value=33.2
R49 "ERJ-1GNF33R2C" FP-ERJ-1GNF33R2C_0201-IPC_C 3195.35,4050.45 r270 bottom value=33.2
R50 "ERJ-1GNJ102C" FP-ERJ-1GNJ102C_0201-IPC_C 3241.63,4329.43 r90 top value=1k
R51 "RC0201JR-070RL" "FP-RC0201JR-070RL_0201 (0603 Metric)-MFG" 5327.6,4601.84 r0 bottom
R52 "ERJ-1GNF1961C" FP-ERJ-1GNF1961C_0201-IPC_C 3231.08,4281.06 r0 top value=1.96k
R53 "CRCW04023R83FKED" 0402L 3667.5,4501.24 r180 top value=3.83
R54 "CRCW04023R83FKED" 0402L 3200.34,4485.56 r0 top value=3.83
R55 "CRCW04023R83FKED" 0402L 3615.39,4020.22 r270 top value=3.83
R56 "CRCW04023R83FKED" 0402L 3231.35,3858.36 r270 top value=3.83
R57 "RC0201JR-070RL" "FP-RC0201JR-070RL_0201 (0603 Metric)-MFG" 5270.8,4602.69 r0 bottom
R58 "RC0201JR-070RL" "FP-RC0201JR-070RL_0201 (0603 Metric)-MFG" 5008.99,4046.94 r180 bottom
R59 "ERA-1AEB103C" FP-ERA-1AEB103C_0201-IPC_C 3936.98,4298.05 r270 bottom value=10k
R60 "ERJ-1GN0R00C" 0201L 3014.55,4356.6 r180 bottom value=0
R61 "ERJ-1GN0R00C" 0201L 3163.55,4206.75 r90 bottom value=0
R62 "ERJ-1GN0R00C" 0201L 3206.51,4580.21 r270 bottom value=0
R63 "ERJ-1GN0R00C" 0201L 3255.87,4579.81 r270 bottom value=0
R64 "ERJ-1GNF4991C" FP-ERJ-1GNF4991C_0201-IPC_C 3086.14,4475.15 r0 bottom value=4.99k
R65 "ERA-1AEB103C" FP-ERA-1AEB103C_0201-IPC_C 3137.8,4475.15 r180 bottom value=10k
R66 "RC0201JR-070RL" "FP-RC0201JR-070RL_0201 (0603 Metric)-IPC_C" 4991.42,4377.56 r0 bottom
R67 "RC0201JR-070RL" "FP-RC0201JR-070RL_0201 (0603 Metric)-MFG" 5513.34,3938.91 r0 bottom
R68 "RC0201JR-070RL" "FP-RC0201JR-070RL_0201 (0603 Metric)-MFG" 5601.88,3937.06 r180 bottom
R69 "RC0201FR-074K99L" 0201L 5505.11,3737.11 r180 bottom value=4.99k
R70 "RC0201JR-070RL" "FP-RC0201JR-070RL_0201 (0603 Metric)-MFG" 5434,3877.69 r0 bottom
R71 "RC0201JR-070RL" "FP-RC0201JR-070RL_0201 (0603 Metric)-MFG" 5396.26,3801.26 r0 bottom
R72 "RC0201JR-070RL" "FP-RC0201JR-070RL_0201 (0603 METRIC)-IPC_C" 5422.76,3927.24 r270 bottom
R73 "RC0201JR-070RL" "FP-RC0201JR-070RL_0201 (0603 METRIC)-IPC_C" 5458.86,3908 r180 bottom
R74 "RC0201JR-070RL" "FP-RC0201JR-070RL_0201 (0603 METRIC)-IPC_C" 6581.1,4063.92 r0 top
R75 "ERJ-1GNJ102C" FP-ERJ-1GNJ102C_0201-IPC_C 4300.76,3981.67 r270 bottom value=1k
R76 "RC0201JR-070RL" "FP-RC0201JR-070RL_0201 (0603 METRIC)-IPC_C" 6210.78,3903.45 r90 bottom
R77 "RR0306P-103-D" FP-RR0306P-103-D_0201-IPC_C#1 5185.3,4021 r270 bottom
R78 "RR0306P-103-D" FP-RR0306P-103-D_0201-IPC_C#1 5155,3984 r0 bottom
R79 "ERJ-1GNF4701C" FP-ERJ-1GNF4701C_0201-IPC_C 6304.11,3815.65 r270 bottom
R80 "RR0306P-103-D" FP-RR0306P-103-D_0201-IPC_C#1 5155.48,3915 r0 bottom
R81 "RR0306P-103-D" FP-RR0306P-103-D_0201-IPC_C#1 5324.41,4050.42 r270 bottom
R82 "RR0306P-103-D" FP-RR0306P-103-D_0201-IPC_C#2 5279.72,4021 r270 bottom
R83 "ERA-1AEB103C" FP-ERA-1AEB103C_0201-IPC_C 4055.26,4296.88 r270 bottom value=10k
R84 "ERA-1AEB103C" FP-ERA-1AEB103C_0201-IPC_C 4216.3,4208.84 r90 bottom value=10k
R85 "ERA-1AEB103C" FP-ERA-1AEB103C_0201-IPC_C 3645.85,4457.99 r270 top value=10k
R86 "RC0201JR-070RL" "FP-RC0201JR-070RL_0201 (0603 METRIC)-IPC_C" 6141.03,4180.57 r0 top
R87 "RC0201JR-070RL" "FP-RC0201JR-070RL_0201 (0603 METRIC)-IPC_C" 6141.18,4202.46 r0 top
R88 "AC0201FR-0720RL" FP-AC0201FR-0720RL_0201-IPC_C 4547.27,4114.97 r0 bottom
R89 "CRCW0201100KFKED" 0201L 6338.19,4411.08 r0 top value=100k
R90 "RC0201JR-070RL" "FP-RC0201JR-070RL_0201 (0603 METRIC)-IPC_C" 6278.99,4249 r0 bottom
R91 "RC0201JR-070RL" "FP-RC0201JR-070RL_0201 (0603 METRIC)-IPC_C" 6422.16,3920.53 r180 bottom
R92 "CRCW0201100KFKED" 0201L 6583.22,3689.74 r0 bottom value=100k
R93 "RR0306P-103-D" FP-RR0306P-103-D_0201-IPC_C#1 5206.3,4021 r90 bottom
R94 "RR0306P-103-D" FP-RR0306P-103-D_0201-IPC_C#1 5995.7,4043.69 r0 top
R95 "RR0306P-103-D" FP-RR0306P-103-D_0201-IPC_C#1 5979.95,3836.09 r0 top
R96 "RR0306P-103-D" FP-RR0306P-103-D_0201-IPC_C#1 5155.48,3938 r180 bottom
R97 "RC0201JR-070RL" "FP-RC0201JR-070RL_0201 (0603 METRIC)-IPC_C" 5314.73,4010.48 r0 bottom
R98 "RR0306P-103-D" FP-RR0306P-103-D_0201-IPC_C#1 5155,3961 r180 bottom
R99 "RC0201JR-070RL" "FP-RC0201JR-070RL_0201 (0603 METRIC)-IPC_C" 5996.83,3891.7 r270 top
R100 "RC0201JR-070RL" "FP-RC0201JR-070RL_0201 (0603 METRIC)-IPC_C" 5872.42,3998.82 r0 top
R101 "RC0201JR-070RL" "FP-RC0201JR-070RL_0201 (0603 METRIC)-IPC_C" 6046.19,3941.56 r270 top
R102 "RC0201JR-070RL" "FP-RC0201JR-070RL_0201 (0603 METRIC)-IPC_C" 6278.99,4272.45 r0 bottom
R103 "ERJ-1GN0R00C" 0201L 3679.35,4459.54 r270 top value=0
R104 "RR0306P-103-D" FP-RR0306P-103-D_0201-IPC_C#1 6581.47,4005 r180 top
R105 "RC0201JR-070RL" "FP-RC0201JR-070RL_0201 (0603 METRIC)-IPC_C" 6685.03,3997.34 r180 top
R106 "RC0201JR-070RL" "FP-RC0201JR-070RL_0201 (0603 METRIC)-IPC_C" 6695.04,4036.52 r90 top
R107 "RC0201JR-07510RL" 0201L 4620.57,4450.68 r270 top value=510
R108 "RC0201JR-07510RL" 0201L 4843.99,4439.06 r180 top value=510
R110 "RR0306P-103-D" FP-RR0306P-103-D_0201-IPC_C#1 6168.27,4114.75 r270 bottom
R111 "RC0201JR-07220RL" 0201L 5100.51,4345.88 r180 top value=220
R112 "RC0201JR-070RL" "FP-RC0201JR-070RL_0201 (0603 METRIC)-IPC_C" 5872.42,3951.7 r0 top
R113 "RC0201JR-070RL" "FP-RC0201JR-070RL_0201 (0603 METRIC)-IPC_C" 5914.31,3891.7 r90 top
R114 "CRCW040261R9FKED" 0402L 6930.63,3895.33 r180 top value=61.9
R115 "RC0201JR-070RL" "FP-RC0201JR-070RL_0201 (0603 Metric)-IPC_C" 6854.79,3961 r0 top
R116 "RC0201JR-070RL" "FP-RC0201JR-070RL_0201 (0603 Metric)-IPC_C" 6754.79,3956 r0 top
R117 "CRCW040261R9FKED" 0402L 6909.66,3823.52 r270 top value=61.9
R118 "RR0306P-103-D" FP-RR0306P-103-D_0201-IPC_C#1 6696.81,4422 r90 top
R119 "CRCW040261R9FKED" 0402L 5885.96,4492.77 r0 top value=61.9
R120 "RC0201JR-070RL" "FP-RC0201JR-070RL_0201 (0603 Metric)-IPC_C" 6802.81,4252.99 r90 top
R121 "RC0201JR-070RL" "FP-RC0201JR-070RL_0201 (0603 METRIC)-IPC_C" 6649.04,4333.23 r180 top